# Altium PCB node24.PcbDoc (part 5 of 10)
Units mm, origin at the board's own origin, x right, y up, seen from the top; angles counter-clockwise.
Board outline 177.92 x 177.92 mm, 6 copper layers (L1 - Signal 1 (Top), L2 - Signal 2, L3 - Ground, L4 - Power, L5 - Signal 3, L6 - Signal 4 (Bot)), stack 1.511 mm thick; 721 components, 595 nets, 2782 pads, 2075 vias.
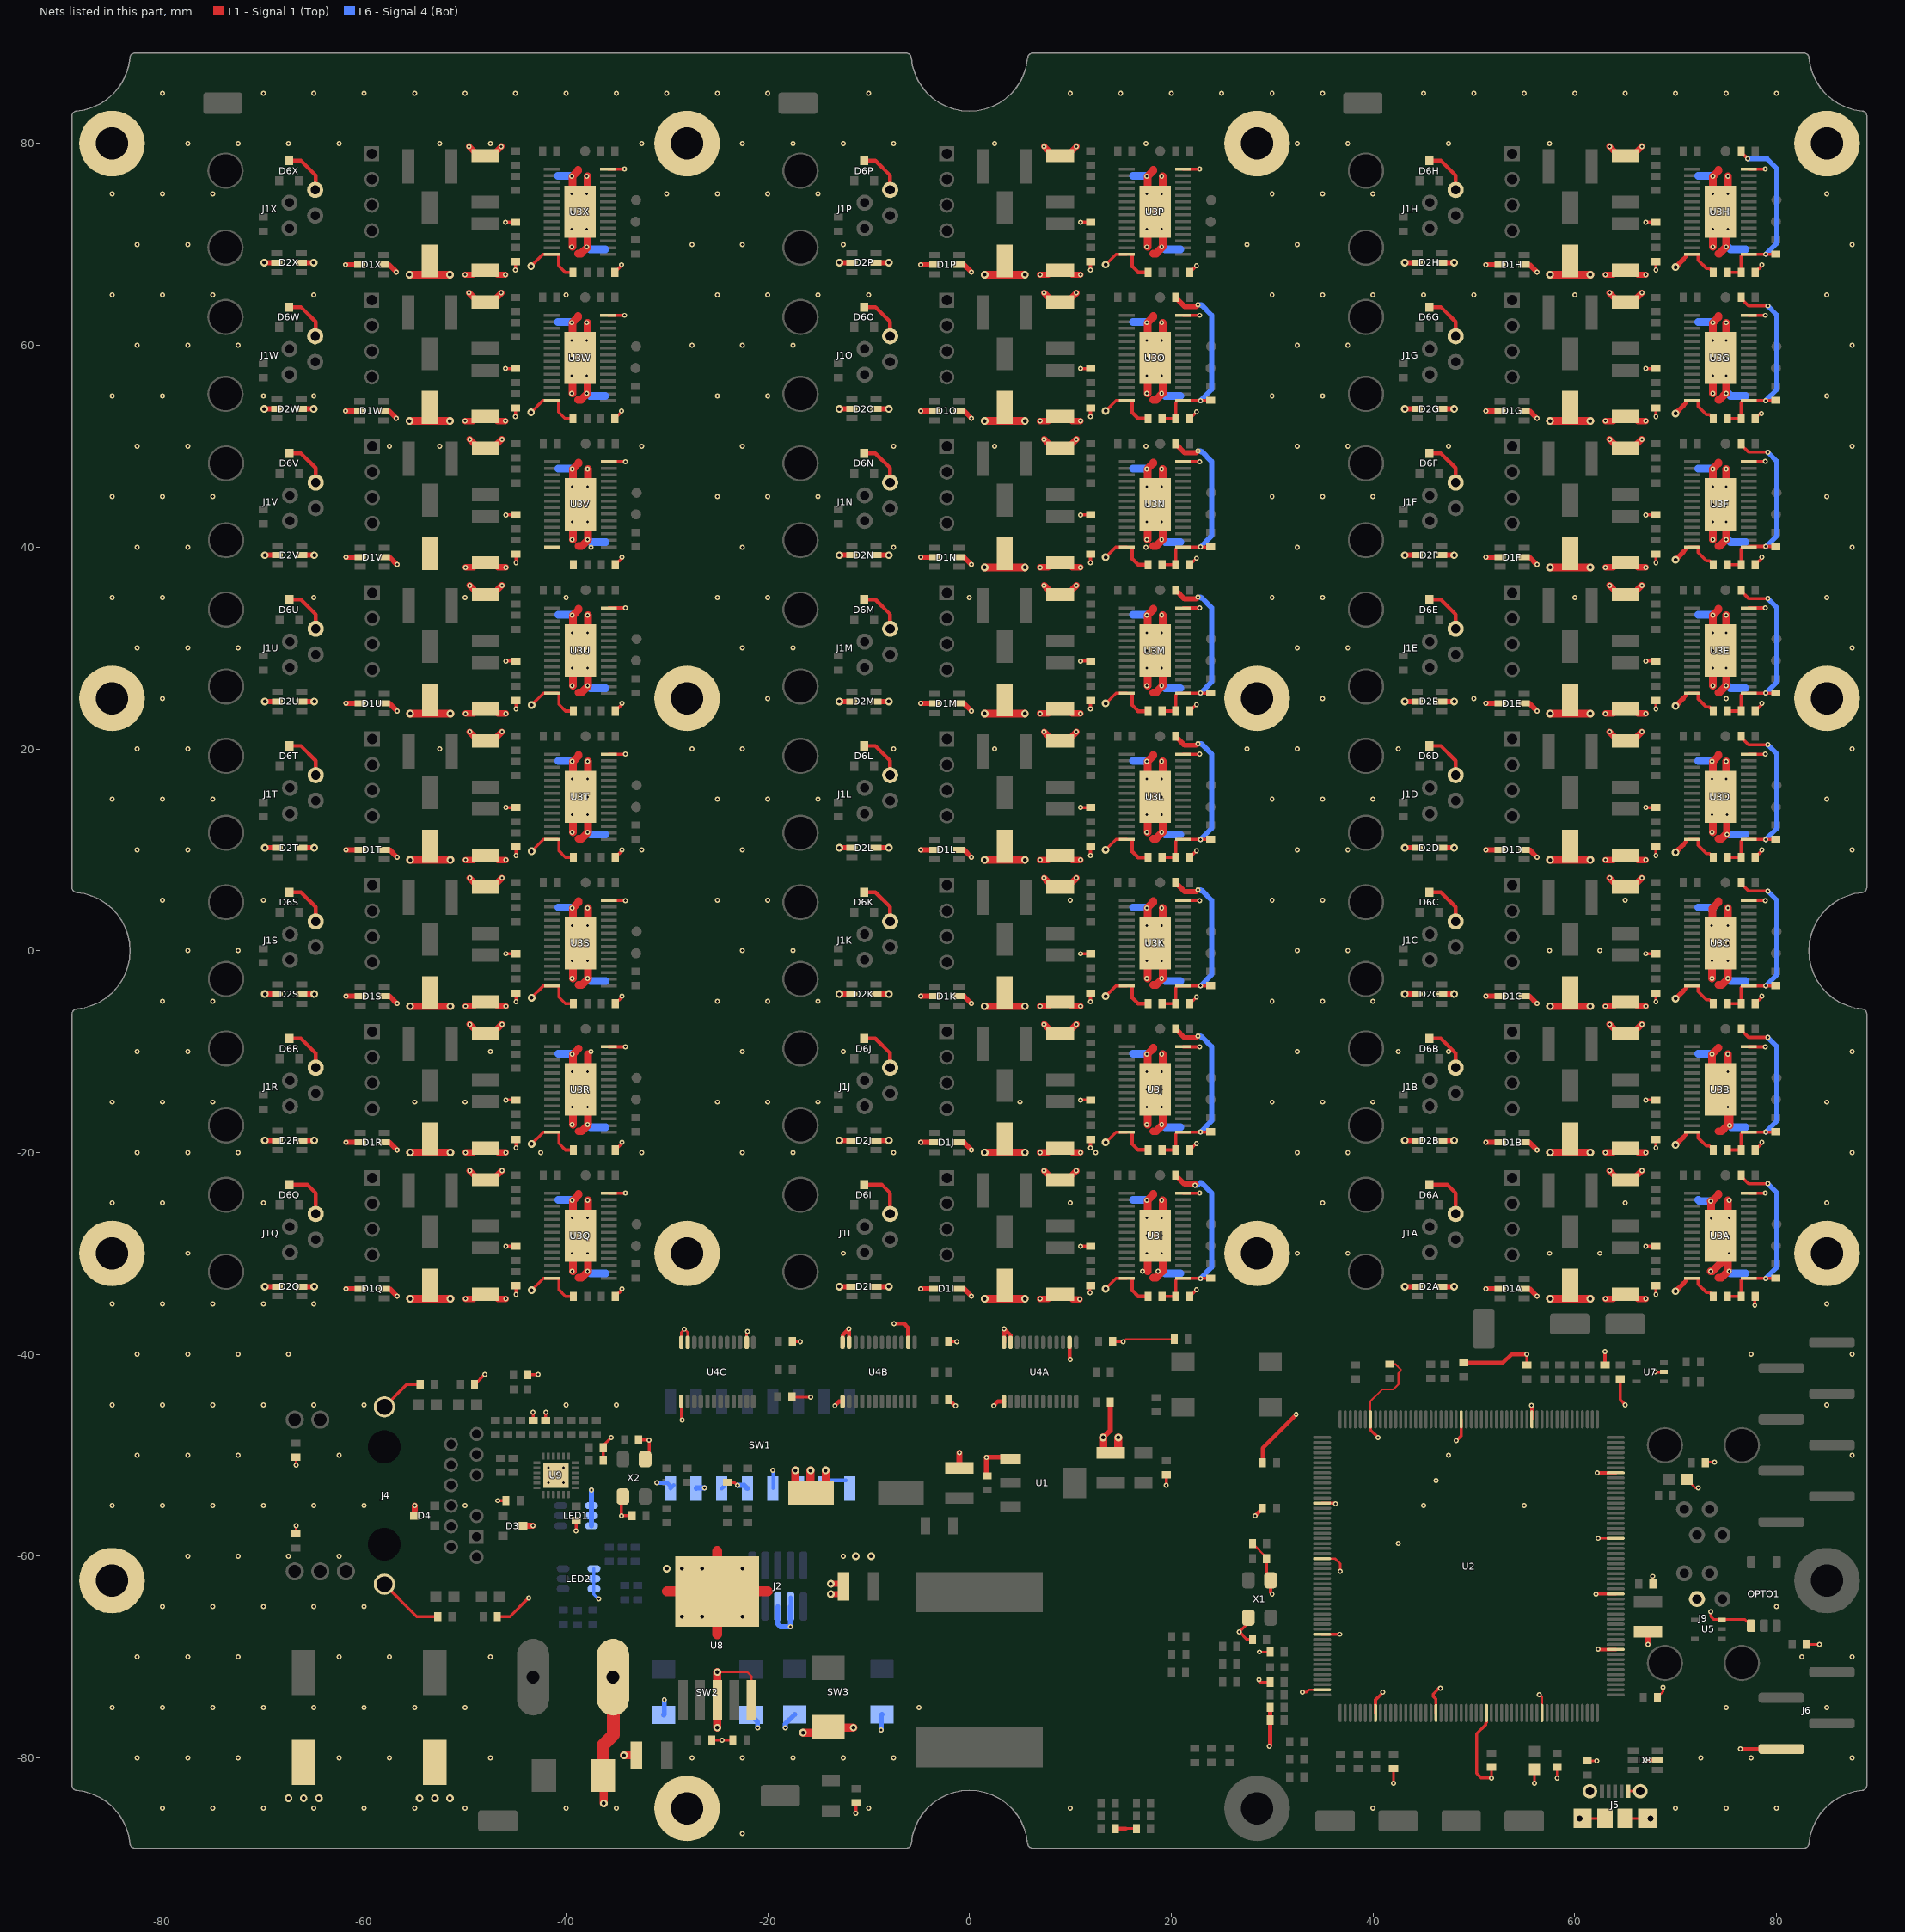
[diagram p9: the nets of this part, all layers, seen from the top]

## Via types
v1: diameter 0.508, hole 0.254, L1 - Signal 1 (Top) to L6 - Signal 4 (Bot), tented both sides, 1661 vias
v2: diameter 0.762, hole 0.381, L1 - Signal 1 (Top) to L6 - Signal 4 (Bot), 403 vias
v3: diameter 0.508, hole 0.254, L1 - Signal 1 (Top) to L6 - Signal 4 (Bot), 11 vias

## Nets (pads, with @x,y where several pads share a name; then routed paths per layer and width w, separated by ;. In a path a pad name is that pad's centre, name@x,y a point inside that pad or via, vN(x,y) a via of type N, cw(c..) or ccw(c..) an arc to the next point about the centre after c; other vN are vias at no path point) (continued)
DGND: C1.2 C2.2 C3A.2 C3B.2 C3C.2 C3D.2 C3E.2 C3F.2 C3G.2 C3H.2 C3I.2 C3J.2 C3K.2 C3L.2 C3M.2 C3N.2 C3O.2 C3P.2 C3Q.2 C3R.2 C3S.2 C3T.2 C3U.2 C3V.2 C3W.2 C3X.2 C4.2 C5.2 C6.2 C7.2 C8.2 C9A.1 C9B.1 C9C.1 C9D.1 C9E.1 C9F.1 C9G.1 C9H.1 C9I.1 C9J.1 C9K.1 C9L.1 C9M.1 C9N.1 C9O.1 C9P.1 C9Q.1 C9R.1 C9S.1 C9T.1 C9U.1 C9V.1 C9W.1 C9X.1 C12.2 C13A.2 C13B.2 C13C.2 C14A.2 C14B.2 C14C.2 C15.1 C16.2 C17.2 C18.2 C19.2 C20.2 C21.2 C22.2 C23.2 C24.2 C25.2 C26.2 C27.2 C28.2 C29.2 C30.2 C31.1 C32.2 C33.2 C34.2 C38A.1 C38B.1 C38C.1 C38D.1 C38E.1 C38F.1 C38G.1 C38H.1 C38I.1 C38J.1 C38K.1 C38L.1 C38M.1 C38N.1 C38O.1 C38P.1 C38Q.1 C38R.1 C38S.1 C38T.1 C38U.1 C38V.1 C38W.1 C38X.1 C41A.2 C41B.2 C41C.2 C41D.2 C41E.2 C41F.2 C41G.2 C41H.2 C41I.2 C41J.2 C41K.2 C41L.2 C41M.2 C41N.2 C41O.2 C41P.2 C41Q.2 C41R.2 C41S.2 C41T.2 C41U.2 C41V.2 C41W.2 C41X.2 C42A.2 C42B.2 C42C.2 C42D.2 C42E.2 C42F.2 C42G.2 C42H.2 C42I.2 C42J.2 C42K.2 C42L.2 C42M.2 C42N.2 C42O.2 C42P.2 C42Q.2 C42R.2 C42S.2 C42T.2 C42U.2 C42V.2 C42W.2 C42X.2 C47.2 C55.2 C56.2 C57.2 C59.1 C60.1 C61.2 C62.1 C63.1 C64.1 C65.1 C66.1 C67.1 C76.2 C77.2 C79.2 C80.1 C81.2 C82.2 C83.2 D1A.2 D1A.5 D1B.2 D1B.5 D1C.2 D1C.5 D1D.2 D1D.5 D1E.2 D1E.5 D1F.2 D1F.5 D1G.2 D1G.5 D1H.2 D1H.5 D1I.2 D1I.5 D1J.2 D1J.5 D1K.2 D1K.5 D1L.2 D1L.5 D1M.2 D1M.5 D1N.2 D1N.5 D1O.2 D1O.5 D1P.2 D1P.5 D1Q.2 D1Q.5 D1R.2 D1R.5 D1S.2 D1S.5 D1T.2 D1T.5 D1U.2 D1U.5 D1V.2 D1V.5 D1W.2 D1W.5 D1X.2 D1X.5 D2A.2 D2A.5 D2B.2 D2B.5 D2C.2 D2C.5 D2D.2 D2D.5 D2E.2 D2E.5 D2F.2 D2F.5 D2G.2 D2G.5 D2H.2 D2H.5 D2I.2 D2I.5 D2J.2 D2J.5 D2K.2 D2K.5 D2L.2 D2L.5 D2M.2 D2M.5 D2N.2 D2N.5 D2O.2 D2O.5 D2P.2 D2P.5 D2Q.2 D2Q.5 D2R.2 D2R.5 D2S.2 D2S.5 D2T.2 D2T.5 D2U.2 D2U.5 D2V.2 D2V.5 D2W.2 D2W.5 D2X.2 D2X.5 D3.3 D4.3 D5.1 D6A.3 D6B.3 D6C.3 D6D.3 D6E.3 D6F.3 D6G.3 D6H.3 D6I.3 D6J.3 D6K.3 D6L.3 D6M.3 D6N.3 D6O.3 D6P.3 D6Q.3 D6R.3 D6S.3 D6T.3 D6U.3 D6V.3 D6W.3 D6X.3 D8.2 D10.1 J1A.4 J1B.4 J1C.4 J1D.4 J1E.4 J1F.4 J1G.4 J1H.4 J1I.4 J1J.4 J1K.4 J1L.4 J1M.4 J1N.4 J1O.4 J1P.4 J1Q.4 J1R.4 J1S.4 J1T.4 J1U.4 J1V.4 J1W.4 J1X.4 J2.3 J2.5 J2.9 J4.S1 J4.S2 J5.5 J5.6 J5.7 J5.8 J5.9 J5.10 J5.11 J6.1 J8.2 J9.3 LED1.1 LED1.2 LED1.3 LED2.1 LED2.2 LED2.3 OPTO1.4 pad.M3_MECH@28.5,25 pad.M3_MECH@28.5,80 pad.M3_MECH@28.5,-30 pad.M3_MECH@85,25 pad.M3_MECH@85,80 pad.M3_MECH@85,-30 pad.M3_MECH@-28,25 pad.M3_MECH@-28,80 pad.M3_MECH@-28,-30 pad.M3_MECH@-28,-85 pad.M3_MECH@-85,25 pad.M3_MECH@-85,80 pad.M3_MECH@-85,-30 pad.M3_MECH@-85,-62.44 R4.1 R7.2 R8.2 R10.1 R13.2 R15.1 R23A.2 R23B.2 R23C.2 R23D.2 R23E.2 R23F.2 R23G.2 R23H.2 R23I.2 R23J.2 R23K.2 R23L.2 R23M.2 R23N.2 R23O.2 R23P.2 R23Q.2 R23R.2 R23S.2 R23T.2 R23U.2 R23V.2 R23W.2 R23X.2 R24A.2 R24B.2 R24C.2 R24D.2 R24E.2 R24F.2 R24G.2 R24H.2 R24I.2 R24J.2 R24K.2 R24L.2 R24M.2 R24N.2 R24O.2 R24P.2 R24Q.2 R24R.2 R24S.2 R24T.2 R24U.2 R24V.2 R24W.2 R24X.2 R29.1 R64.1 SW1.1 SW1.2 SW1.3 SW1.4 SW1.5 SW1.6 SW1.7 SW1.8 SW2.3 SW2.4 SW3.3 SW3.4 U1.1 U2.14 U2.25 U2.40 U2.51 U2.60 U2.72 U2.82 U2.93 U2.114 U2.125 U2.136 U2.149 U2.170 U2.184 U2.202 U3A.14 U3A.28 U3A.29 U3B.14 U3B.28 U3B.29 U3C.14 U3C.28 U3C.29 U3D.14 U3D.28 U3D.29 U3E.14 U3E.28 U3E.29 U3F.14 U3F.28 U3F.29 U3G.14 U3G.28 U3G.29 U3H.14 U3H.28 U3H.29 U3I.14 U3I.28 U3I.29 U3J.14 U3J.28 U3J.29 U3K.14 U3K.28 U3K.29 U3L.14 U3L.28 U3L.29 U3M.14 U3M.28 U3M.29 U3N.14 U3N.28 U3N.29 U3O.14 U3O.28 U3O.29 U3P.14 U3P.28 U3P.29 U3Q.14 U3Q.28 U3Q.29 U3R.14 U3R.28 U3R.29 U3S.14 U3S.28 U3S.29 U3T.14 U3T.28 U3T.29 U3U.14 U3U.28 U3U.29 U3V.14 U3V.28 U3V.29 U3W.14 U3W.28 U3W.29 U3X.14 U3X.28 U3X.29 U4A.2 U4A.11 U4A.12 U4A.13 U4B.2 U4B.11 U4B.12 U4B.13 U4C.2 U4C.11 U4C.12 U4C.13 U5.3 U7.2 U8.3 U8.5 U8.6 U9.25 X1.2 X1.4 X2.2 X2.4 | length 1542.4
  L1 - Signal 1 (Top) w0.18: v1(15.25,-38.75) 15.5,-38.5 R29.1@20.3,-38.5 ; U2.202@39.75,-46.45 39.734,-46.434 39.734,-44.666 40.9,-43.5 42,-43.5 42.529,-42.971 42.529,-41.851 42.75,-41.63 42.75,-41.5 42.225,-40.975 C23.2@41.689,-40.975
  L1 - Signal 1 (Top) w0.2: v2(-25,-71.5) -22,-71.5 -21.6,-71.9 U8.5@-21.6,-74.25 ; C26.2@28.05,-58.75 29.45,-60.15 C79.2@29.45,-60.25
  L1 - Signal 1 (Top) w0.25: U4C.13@-28.575,-44.675 -28.575,-46.425 v1(-28.5,-46.5) ; U4C.12@-28.575,-38.825 -28.575,-37.825 v1(-28.25,-37.5) -27.925,-37.825 U4C.11@-27.925,-38.825 ; U4C.2@-22.075,-38.825 -22.075,-37.825 v1(-22,-37.75) ; C13C.2@-17.6,-44.25 v1(-15.75,-44.25) ; C14C.2@-17.55,-38.75 v1(-16.75,-38.75) ; C14B.2@-2.05,-38.75 v1(-1.25,-38.75) ; C14A.2@14.2,-38.75 v1(15.25,-38.75) ; 15.5,-87 C31.1@16.55,-87 ; v1(28.702,-72.263) 28.702,-72.452 28.75,-72.5 C34.2@29.8,-72.5 ; v1(28.75,-69.5) C27.2@29.8,-69.5 ; v1(33,-73.5) 33.391,-73.5 33.641,-73.25 U2.51@34.95,-73.25 ; U2.25@34.95,-60.25 36.25,-60.25 36.75,-60.75 v1(36.75,-61.5) ; v1(42.036,-82.5) C29.2@42.036,-81.077 ; v1(51.75,-82) C30.2@51.75,-80.95 ; v1(56,-82.5) C32.2@56,-81.15 ; v1(56.5,-73.75) 56.75,-74 U2.93@56.75,-75.55 ; v1(58.25,-82) C2.2@58.25,-80.95 ; J5.7@60.5,-86 J5.8@63,-86 ; C77.2@61.25,-80.3 v1(62.2,-80.3) ; v1(62.325,-58.25) U2.136@64.05,-58.25 ; J5.9@65,-86 J5.10@67.5,-86 ; J5.5@65.3,-83.3 J5.11@66.5,-83.3 ; C16.2@67.75,-62.75 v1(67.75,-62) ; C22.2@68.2,-74 68.75,-73.45 v1(68.75,-73) ; v1(73.5,-65.5) 73.5,-66 73.8,-66.3 U5.3@74.6,-66.3 76.88,-66.3 OPTO1.4@77.48,-66.9 ; C7.2@82.95,-68.75 v1(84.25,-68.75)
  L1 - Signal 1 (Top) w0.254: R10.1@-66.75,-57.8 v1(-66.75,-57) ; v1(-66.75,-51) R4.1@-66.75,-50.2 ; C33.2@70.9,-52.5 71.2,-52.5 71.95,-53.25 v1(72.25,-53.25) ; C18.2@73.008,-50.692 v1(73.878,-50.692)
  L1 - Signal 1 (Top) w0.3: J4.S2@-58,-62.788 -54.788,-66 C62.1@-52.7,-66 ; J4.S1@-58,-45.212 -55.788,-43 C60.1@-54.45,-43 ; C67.1@-49.05,-43 v1(-48.05,-42) ; C59.1@-46.8,-66 -45.553,-66 v1(-43.688,-64.135) ; v1(-46.75,-54.5) C66.1@-45.95,-54.5 ; C61.2@-43.8,-42 v1(-42.75,-42) ; R7.2@-43.25,-46.55 v1(-43.25,-45.75) ; C65.1@-42,-46.55 v1(-42,-45.75) ; v1(-39,-57.5) R8.2@-39,-56.45 ; C63.1@-36.3,-50.5 C64.1@-36.3,-49.25 -36.3,-49.05 v1(-35.5,-48.25) ; X2.2@-34.35,-54.1 -34.5,-54.25 v1(-34.5,-56) C4.2@-33.45,-56 ; C5.2@-32.8,-48.5 v1(-31.75,-48.5) -31.75,-50 X2.4@-32.15,-50.4 ; C12.2@-25.55,-78.25 v3(-24.5,-78.25) C83.2@-23.45,-78.25 ; R64.1@-24,-52.7 -23.3,-52.7 v1(-23,-53) ; v1(-11.25,-85.5) R13.2@-11.25,-84.45 ; v1(19.5,-53) R15.1@19.5,-51.95 ; X1.4@27.65,-66.1 27.65,-66.6 v1(26.75,-67.5) 27.5,-68.25 C80.1@28.05,-68.25 ; C79.2@29.45,-60.25 29.45,-62 X1.2@29.85,-62.4 29.85,-63.6 v1(30,-63.75) ; U2.14@34.95,-54.75 36.25,-54.75 v3(36.3,-54.8) ; U2.202@39.75,-46.45 39.75,-47.5 v1(40.5,-48.25) ; U2.72@46.25,-75.55 46.25,-74.19 45.974,-73.914 45.974,-73.66 46.55,-73.084 v1(46.668,-73.084) ; U2.82@51.25,-75.55 51.25,-76.479 51.166,-76.564 51.166,-76.723 50.292,-77.597 50.292,-81.534 50.758,-82 v1(51.75,-82) ; C20.2@55.25,-41.05 v1(55.25,-40) ; C19.2@63,-41.05 v1(63,-39.75) ; C76.2@64.5,-42.45 64.5,-44.5 v1(65,-45) ; v1(67,-80.25) D8.2@68.2,-80.25 ; v1(68,-41.75) U7.2@68.85,-41.75
  L1 - Signal 1 (Top) w0.305: v1(-46,57.7) C41W.2@-45,57.7 ; v1(-46,72.2) C41X.2@-45,72.2 ; v1(-45.95,-29.3) C41Q.2@-44.95,-29.3 ; v1(-45.95,-14.8) C41R.2@-44.95,-14.8 ; v1(-45.95,-0.3) C41S.2@-44.95,-0.3 ; v1(-45.95,14.2) C41T.2@-44.95,14.2 ; v1(-45.95,28.7) C41U.2@-44.95,28.7 ; v1(-45.95,43.2) C41V.2@-44.95,43.2 ; v1(-45,52.95) C42W.2@-45,53.8 ; v1(-45,67.45) C42X.2@-45,68.3 ; v1(-44.95,-34.05) C42Q.2@-44.95,-33.2 ; v1(-44.95,-19.55) C42R.2@-44.95,-18.7 ; v1(-44.95,-5.05) C42S.2@-44.95,-4.2 ; v1(-44.95,9.45) C42T.2@-44.95,10.3 ; v1(-44.95,23.95) C42U.2@-44.95,24.8 ; v1(-44.95,38.45) C42V.2@-44.95,39.3 ; v2(-43.459,53.348) -42.282,54.525 U3W.14@-41.4,54.525 -40.851,54.525 -40.741,54.415 -40.741,53.399 -40.092,52.75 C9W.1@-39.3,52.75 ; v2(-43.459,67.848) -42.282,69.025 U3X.14@-41.4,69.025 -40.851,69.025 -40.741,68.915 -40.741,67.899 -40.092,67.25 C9X.1@-39.3,67.25 ; v2(-43.409,-33.652) -42.232,-32.475 U3Q.14@-41.35,-32.475 -40.801,-32.475 -40.691,-32.585 -40.691,-33.601 -40.042,-34.25 C9Q.1@-39.25,-34.25 ; v2(-43.409,-19.152) -42.232,-17.975 U3R.14@-41.35,-17.975 -40.801,-17.975 -40.691,-18.085 -40.691,-19.101 -40.042,-19.75 C9R.1@-39.25,-19.75 ; v2(-43.409,-4.652) -42.232,-3.475 U3S.14@-41.35,-3.475 -40.801,-3.475 -40.691,-3.585 -40.691,-4.601 -40.042,-5.25 C9S.1@-39.25,-5.25 ; v2(-43.409,9.848) -42.232,11.025 U3T.14@-41.35,11.025 -40.801,11.025 -40.691,10.915 -40.691,9.899 -40.042,9.25 C9T.1@-39.25,9.25 ; v2(-43.409,24.348) -42.232,25.525 U3U.14@-41.35,25.525 -40.801,25.525 -40.691,25.415 -40.691,24.399 -40.042,23.75 C9U.1@-39.25,23.75 ; U3W.28@-35.8,62.975 v1(-34.175,62.975) ; U3X.28@-35.8,77.475 v1(-34.175,77.475) ; U3Q.28@-35.75,-24.025 v1(-34.125,-24.025) ; U3R.28@-35.75,-9.525 v1(-34.125,-9.525) ; U3S.28@-35.75,4.975 v1(-34.125,4.975) ; U3T.28@-35.75,19.475 v1(-34.125,19.475) ; U3U.28@-35.75,33.975 v1(-34.125,33.975) ; U3V.28@-35.75,48.475 v1(-34.125,48.475) ; C38W.1@-35.15,52.75 -34.5,53.4 v1(-34.5,53.5) ; C38X.1@-35.15,67.25 -34.5,67.9 v1(-34.5,68) ; C38Q.1@-35.1,-34.25 -34.45,-33.6 v1(-34.45,-33.5) ; C38R.1@-35.1,-19.75 -34.45,-19.1 v1(-34.45,-19) ; C38S.1@-35.1,-5.25 -34.45,-4.6 v1(-34.45,-4.5) ; C38T.1@-35.1,9.25 -34.45,9.9 v1(-34.45,10) ; C38U.1@-35.1,23.75 -34.45,24.4 v1(-34.45,24.5) ; C38V.1@-35.1,38.25 -34.45,38.9 v1(-34.45,39) ; v1(11,-29.3) C41I.2@12,-29.3 ; v1(11,-14.8) C41J.2@12,-14.8 ; v1(11,-0.3) C41K.2@12,-0.3 ; v1(11,14.2) C41L.2@12,14.2 ; v1(11,28.7) C41M.2@12,28.7 ; v1(11,43.2) C41N.2@12,43.2 ; v1(11,57.7) C41O.2@12,57.7 ; v1(11,72.2) C41P.2@12,72.2 ; v1(11.938,-33.909) 11.938,-33.262 C42I.2@12,-33.2 ; v1(12,-19.55) C42J.2@12,-18.7 ; v1(12,-5.05) C42K.2@12,-4.2 ; v1(12,9.45) C42L.2@12,10.3 ; v1(12,23.95) C42M.2@12,24.8 ; v1(12,38.45) C42N.2@12,39.3 ; v1(12,52.95) C42O.2@12,53.8 ; v1(12,67.45) C42P.2@12,68.3 ; v2(13.5,-33.5) 14.525,-32.475 U3I.14@15.6,-32.475 ; v2(13.5,-19) 14.525,-17.975 U3J.14@15.6,-17.975 ; v2(13.5,-4.5) 14.525,-3.475 U3K.14@15.6,-3.475 ; v2(13.5,10) 14.525,11.025 U3L.14@15.6,11.025 ; v2(13.5,24.5) 14.525,25.525 U3M.14@15.6,25.525 ; v2(13.5,39) 14.525,40.025 U3N.14@15.6,40.025 ; v2(13.5,53.5) 14.525,54.525 U3O.14@15.6,54.525 ; v2(13.5,68) 14.525,69.025 U3P.14@15.6,69.025 ; U3I.28@21.2,-24.025 v1(22.825,-24.025) ; U3J.28@21.2,-9.525 v1(22.825,-9.525) ; U3K.28@21.2,4.975 v1(22.825,4.975) ; U3L.28@21.2,19.475 v1(22.825,19.475) ; U3M.28@21.2,33.975 v1(22.825,33.975) ; U3N.28@21.2,48.475 v1(22.825,48.475) ; U3O.28@21.2,62.975 v1(22.825,62.975) ; U3P.28@21.2,77.475 v1(22.825,77.475) ; C38I.1@21.85,-34.25 v1(22.5,-33.6) ; C38J.1@21.85,-19.75 v1(22.5,-19.1) ; C38K.1@21.85,-5.25 v1(22.5,-4.6) ; C38L.1@21.85,9.25 v1(22.5,9.9) ; C38M.1@21.85,23.75 v1(22.5,24.4) ; C38N.1@21.85,38.25 v1(22.5,38.9) ; C38O.1@21.85,52.75 v1(22.5,53.4) ; C38P.1@21.85,67.25 v1(22.5,67.9) ; v1(67.05,-29.3) C41A.2@68.05,-29.3 ; v1(67.05,-14.8) C41B.2@68.05,-14.8 ; v1(67.05,-0.3) C41C.2@68.05,-0.3 ; v1(67.05,14.2) C41D.2@68.05,14.2 ; v1(67.05,28.7) C41E.2@68.05,28.7 ; v1(67.05,43.2) C41F.2@68.05,43.2 ; v1(67.05,57.7) C41G.2@68.05,57.7 ; v1(67.05,72.2) C41H.2@68.05,72.2 ; v1(68.05,-34.05) C42A.2@68.05,-33.2 ; v1(68.05,-19.55) C42B.2@68.05,-18.7 ; v1(68.05,-5.05) C42C.2@68.05,-4.2 ; v1(68.05,9.45) C42D.2@68.05,10.3 ; v1(68.05,23.95) C42E.2@68.05,24.8 ; v1(68.05,38.45) C42F.2@68.05,39.3 ; v1(68.05,52.95) C42G.2@68.05,53.8 ; v1(68.05,67.45) C42H.2@68.05,68.3 ; 70.975,-32.75 U3A.14@71.25,-32.475 ; 70.975,-18.25 U3B.14@71.25,-17.975 ; 70.975,-3.75 U3C.14@71.25,-3.475 ; 70.975,10.75 U3D.14@71.25,11.025 ; 70.975,25.25 U3E.14@71.25,25.525 ; 70.975,39.75 U3F.14@71.25,40.025 ; 70.975,54.25 U3G.14@71.25,54.525 ; 70.975,68.75 U3H.14@71.25,69.025 ; U3A.14@71.275,-32.475 U3A.14@71.65,-32.475 72.225,-32.475 72.25,-32.5 72.25,-33.059 73.05,-33.86 73.36,-33.86 C9A.1@73.75,-34.25 ; U3B.14@71.275,-17.975 U3B.14@71.65,-17.975 72.225,-17.975 72.25,-18 72.25,-18.559 73.05,-19.36 73.36,-19.36 C9B.1@73.75,-19.75 ; U3C.14@71.275,-3.475 U3C.14@71.65,-3.475 72.225,-3.475 72.25,-3.5 72.25,-4.059 73.05,-4.86 73.36,-4.86 C9C.1@73.75,-5.25 ; U3D.14@71.275,11.025 U3D.14@71.65,11.025 72.225,11.025 72.25,11 72.25,10.441 73.05,9.64 73.36,9.64 C9D.1@73.75,9.25 ; U3E.14@71.275,25.525 U3E.14@71.65,25.525 72.225,25.525 72.25,25.5 72.25,24.941 73.05,24.14 73.36,24.14 C9E.1@73.75,23.75 ; U3F.14@71.275,40.025 U3F.14@71.65,40.025 72.225,40.025 72.25,40 72.25,39.441 73.05,38.64 73.36,38.64 C9F.1@73.75,38.25 ; U3G.14@71.275,54.525 U3G.14@71.65,54.525 72.225,54.525 72.25,54.5 72.25,53.941 73.05,53.14 73.36,53.14 C9G.1@73.75,52.75 ; U3H.14@71.275,69.025 U3H.14@71.65,69.025 72.225,69.025 72.25,69 72.25,68.441 73.05,67.64 73.36,67.64 C9H.1@73.75,67.25 ; U3A.28@77.25,-24.025 v1(78.875,-24.025) ; U3B.28@77.25,-9.525 v1(78.875,-9.525) ; U3C.28@77.25,4.975 v1(78.875,4.975) ; U3D.28@77.25,19.475 v1(78.875,19.475) ; U3E.28@77.25,33.975 v1(78.875,33.975) ; U3F.28@77.25,48.475 77.275,48.5 v1(78.9,48.5) ; U3G.28@77.25,62.975 v1(78.875,62.975) ; U3H.28@77.25,77.475 v1(78.875,77.475) ; v1(77.851,-35.128) 77.851,-34.299 C38A.1@77.9,-34.25 ; C38B.1@77.9,-19.75 78.55,-19.1 v1(78.55,-19) ; C38C.1@77.9,-5.25 78.55,-4.6 v1(78.55,-4.5) ; C38D.1@77.9,9.25 78.55,9.9 v1(78.55,10) ; C38E.1@77.9,23.75 78.55,24.4 v1(78.55,24.5) ; C38F.1@77.9,38.25 78.55,38.9 v1(78.55,39) ; C38G.1@77.9,52.75 78.5,53.35 v1(78.5,53.25) ; C38H.1@77.9,67.25 78.55,67.9 v1(78.55,68)
  L1 - Signal 1 (Top) w0.33: U2.40@34.95,-67.75 v1(36.725,-67.75) ; U2.60@40.25,-75.55 40.25,-74.25 40.952,-73.548 v1(40.952,-73.479) ; v1(48.275,-48.575) 48.75,-48.1 U2.184@48.75,-46.45 ; v1(55.725,-45.05) 55.75,-45.075 U2.170@55.75,-46.45 ; v1(62.125,-63.75) U2.125@64.05,-63.75 ; v1(62.225,-51.75) U2.149@64.05,-51.75 ; v1(62.3,-69.225) 62.325,-69.25 U2.114@64.05,-69.25 ; v1(76.42,-79.12) J6.1@80.48,-79.12
  L1 - Signal 1 (Top) w0.381: D6Q.3@-67.4,-23.2 -65.625,-23.2 -64.81,-24.015 J1Q.4@-64.81,-26.095 ; D6R.3@-67.4,-8.7 -66.275,-8.7 -64.81,-10.165 J1R.4@-64.81,-11.595 ; D6S.3@-67.4,5.8 -66.275,5.8 -64.81,4.335 J1S.4@-64.81,2.905 ; D6T.3@-67.4,20.3 -66.275,20.3 -64.81,18.835 J1T.4@-64.81,17.405 ; D6U.3@-67.4,34.8 -66.275,34.8 -64.81,33.335 J1U.4@-64.81,31.905 ; D6V.3@-67.4,49.3 -66.275,49.3 -64.81,47.835 J1V.4@-64.81,46.405 ; D6W.3@-67.4,63.8 -66.275,63.8 -64.81,62.335 J1W.4@-64.81,60.905 ; D6X.3@-67.4,78.3 -66.275,78.3 -64.81,76.835 J1X.4@-64.81,75.405 ; D6I.3@-10.45,-23.2 -8.675,-23.2 -7.86,-24.015 J1I.4@-7.86,-26.095 ; D6J.3@-10.45,-8.7 -9.325,-8.7 -7.86,-10.165 J1J.4@-7.86,-11.595 ; D6K.3@-10.45,5.8 -9.325,5.8 -7.86,4.335 J1K.4@-7.86,2.905 ; D6L.3@-10.45,20.3 -9.325,20.3 -7.86,18.835 J1L.4@-7.86,17.405 ; D6M.3@-10.45,34.8 -9.325,34.8 -7.86,33.335 J1M.4@-7.86,31.905 ; D6N.3@-10.45,49.3 -9.325,49.3 -7.86,47.835 J1N.4@-7.86,46.405 ; D6O.3@-10.45,63.8 -9.325,63.8 -7.86,62.335 J1O.4@-7.86,60.905 ; D6P.3@-10.45,78.3 -9.325,78.3 -7.86,76.835 J1P.4@-7.86,75.405 ; U3I.14@16.125,-32.575 16.125,-33.65 16.725,-34.25 C9I.1@17.7,-34.25 ; U3J.14@16.125,-18.075 16.125,-19.15 16.725,-19.75 C9J.1@17.7,-19.75 ; U3K.14@16.125,-3.575 16.125,-4.65 16.725,-5.25 C9K.1@17.7,-5.25 ; U3L.14@16.125,10.925 16.125,9.85 16.725,9.25 C9L.1@17.7,9.25 ; U3M.14@16.125,25.425 16.125,24.35 16.725,23.75 C9M.1@17.7,23.75 ; U3N.14@16.125,39.925 16.125,38.85 16.725,38.25 C9N.1@17.7,38.25 ; U3O.14@16.125,54.425 16.125,53.35 16.725,52.75 C9O.1@17.7,52.75 ; U3P.14@16.125,68.925 16.125,67.85 16.725,67.25 C9P.1@17.7,67.25 ; D6A.3@45.6,-23.2 47.375,-23.2 48.19,-24.015 J1A.4@48.19,-26.095 ; D6B.3@45.6,-8.7 46.725,-8.7 48.19,-10.165 J1B.4@48.19,-11.595 ; D6C.3@45.6,5.8 46.725,5.8 48.19,4.335 J1C.4@48.19,2.905 ; D6D.3@45.6,20.3 46.725,20.3 48.19,18.835 J1D.4@48.19,17.405 ; D6E.3@45.6,34.8 46.725,34.8 48.19,33.335 J1E.4@48.19,31.905 ; D6F.3@45.6,49.3 46.725,49.3 48.19,47.835 J1F.4@48.19,46.405 ; D6G.3@45.6,63.8 46.725,63.8 48.19,62.335 J1G.4@48.19,60.905 ; D6H.3@45.6,78.3 46.725,78.3 48.19,76.835 J1H.4@48.19,75.405
  L1 - Signal 1 (Top) w0.4: v2@-17.345,-51.5 v2(-17.25,-51.5) ; v1(-13.335,-45.085) -12.925,-44.675 U4B.13@-12.575,-44.675 ; U4B.12@-12.575,-38.825 -12.575,-38.102 v1(-11.938,-37.465) -11.925,-37.478 U4B.11@-11.925,-38.825 ; v1(-7.493,-36.957) -6.477,-36.957 -6.075,-37.359 U4B.2@-6.075,-38.825 ; C13B.2@-2.05,-44.5 -1.465,-45.085 v1(-1.397,-45.085) ; v1(2.413,-45.085) 2.823,-44.675 U4A.13@3.425,-44.675 ; U4A.12@3.425,-38.825 3.425,-37.469 4.075,-38.119 U4A.11@4.075,-38.825 ; U4A.2@9.925,-38.825 9.925,-40.425 v1(10,-40.5) ; C15.1@14.45,-87 15.5,-87 ; v1(28.321,-56.007) 29.05,-55.278 C25.2@29.05,-55.25 ; C24.2@29.05,-50.75 29.05,-49.309 v1(32.385,-45.974) ; v1(29.718,-78.867) 29.8,-78.785 C17.2@29.8,-76.25 C28.2@29.8,-75 ; C21.2@49.022,-40.829 52.897,-40.829 53.726,-40 v1(55.25,-40)
  L1 - Signal 1 (Top) w0.406: 70.725,-33 70.975,-32.75 ; 70.725,-18.5 70.975,-18.25 ; 70.725,-4 70.975,-3.75 ; 70.725,10.5 70.975,10.75 ; 70.725,25 70.975,25.25 ; 70.725,39.5 70.975,39.75 ; 70.725,54 70.975,54.25 ; 70.725,68.5 70.975,68.75
  L1 - Signal 1 (Top) w0.5: C57.2@1.75,-52.05 1.7,-52 v1(1.7,-50.2) 3.663,-50.2 U1.1@3.963,-50.5 ; v2(13.25,-48.25) 13.95,-47.55 C13A.2@13.95,-44.75 ; v1(67.25,-68.75) C55.2@67.25,-67.5
  L1 - Signal 1 (Top) w0.508: v2(-69.85,-33.3) D2Q.5@-68.6,-33.3 ; v2(-69.85,-18.8) D2R.5@-68.6,-18.8 ; v2(-69.85,-4.3) D2S.5@-68.6,-4.3 ; v2(-69.85,10.2) D2T.5@-68.6,10.2 ; v2(-69.85,24.7) D2U.5@-68.6,24.7 ; v2(-69.85,39.2) D2V.5@-68.6,39.2 ; v2@-69.85,53.7 D2W.5@-68.6,53.7 ; v2@-69.85,68.2 D2X.5@-68.6,68.2 ; D2Q.2@-66.2,-33.3 v2(-64.95,-33.3) ; D2R.2@-66.2,-18.8 v2(-64.95,-18.8) ; D2S.2@-66.2,-4.3 v2(-64.95,-4.3) ; D2T.2@-66.2,10.2 v2(-64.95,10.2) ; D2U.2@-66.2,24.7 v2(-64.95,24.7) ; D2V.2@-66.2,39.2 v2(-64.95,39.2) ; D2W.2@-66.2,53.7 v2@-64.95,53.7 ; D2X.2@-66.2,68.2 v2@-64.95,68.2 ; v1(-61.848,53.5) D1W.2@-60.45,53.5 ; v1(-61.848,68) D1X.2@-60.45,68 ; v1(-61.798,-33.5) D1Q.2@-60.4,-33.5 ; v1(-61.798,-19) D1R.2@-60.4,-19 ; v1(-61.798,-4.5) D1S.2@-60.4,-4.5 ; v1(-61.798,10) D1T.2@-60.4,10 ; v1(-61.798,24.5) D1U.2@-60.4,24.5 ; v1(-61.798,39) D1V.2@-60.4,39 ; D1W.5@-58.05,53.5 -57.536,53.5 v1(-56.8,52.764) ; D1X.5@-58.05,68 -57.536,68 v1(-56.8,67.264) ; D1Q.5@-58,-33.5 -57.486,-33.5 v1(-56.75,-34.236) ; D1R.5@-58,-19 -57.486,-19 v1(-56.75,-19.736) ; D1S.5@-58,-4.5 -57.486,-4.5 v1(-56.75,-5.236) ; D1T.5@-58,10 -57.486,10 v1(-56.75,9.264) ; D1U.5@-58,24.5 -57.486,24.5 v1(-56.75,23.764) ; D1V.5@-58,39 -57.486,39 v1(-56.75,38.264) ; v2(-12.9,-33.3) D2I.5@-11.65,-33.3 ; v2(-12.9,-18.8) D2J.5@-11.65,-18.8 ; v2(-12.9,-4.3) D2K.5@-11.65,-4.3 ; v2(-12.9,10.2) D2L.5@-11.65,10.2 ; v2(-12.9,24.7) D2M.5@-11.65,24.7 ; v2(-12.9,39.2) D2N.5@-11.65,39.2 ; v2(-12.9,53.7) D2O.5@-11.65,53.7 ; v2(-12.9,68.2) D2P.5@-11.65,68.2 ; D2I.2@-9.25,-33.3 v2(-8,-33.3) ; D2J.2@-9.25,-18.8 v2(-8,-18.8) ; D2K.2@-9.25,-4.3 v2(-8,-4.3) ; D2L.2@-9.25,10.2 v2(-8,10.2) ; D2M.2@-9.25,24.7 v2(-8,24.7) ; D2N.2@-9.25,39.2 v2(-8,39.2) ; D2O.2@-9.25,53.7 v2(-8,53.7) ; D2P.2@-9.25,68.2 v2(-8,68.2) ; v1(-4.848,-33.5) D1I.2@-3.45,-33.5 ; v1(-4.848,-19) D1J.2@-3.45,-19 ; v1(-4.848,-4.5) D1K.2@-3.45,-4.5 ; v1(-4.848,10) D1L.2@-3.45,10 ; v1(-4.848,24.5) D1M.2@-3.45,24.5 ; v1(-4.848,39) D1N.2@-3.45,39 ; v1(-4.848,53.5) D1O.2@-3.45,53.5 ; v1(-4.848,68) D1P.2@-3.45,68 ; D1I.5@-1.05,-33.5 -0.536,-33.5 v1(0.2,-34.236) ; D1J.5@-1.05,-19 -0.536,-19 v1(0.2,-19.736) ; D1K.5@-1.05,-4.5 -0.536,-4.5 v1(0.2,-5.236) ; D1L.5@-1.05,10 -0.536,10 v1(0.2,9.264) ; D1M.5@-1.05,24.5 -0.536,24.5 v1(0.2,23.764) ; D1N.5@-1.05,39 -0.536,39 v1(0.2,38.264) ; D1O.5@-1.05,53.5 -0.536,53.5 v1(0.2,52.764) ; D1P.5@-1.05,68 -0.536,68 v1(0.2,67.264) ; v2(43.15,-33.3) D2A.5@44.4,-33.3 ; v2(43.15,-18.8) D2B.5@44.4,-18.8 ; v2(43.15,-4.3) D2C.5@44.4,-4.3 ; v2(43.15,10.2) D2D.5@44.4,10.2 ; v2(43.15,24.7) D2E.5@44.4,24.7 ; v2(43.15,39.2) D2F.5@44.4,39.2 ; v2(43.15,53.7) D2G.5@44.4,53.7 ; v2(43.15,68.2) D2H.5@44.4,68.2 ; D2A.2@46.8,-33.3 v2(48.05,-33.3) ; D2B.2@46.8,-18.8 v2(48.05,-18.8) ; D2C.2@46.8,-4.3 v2(48.05,-4.3) ; D2D.2@46.8,10.2 v2(48.05,10.2) ; D2E.2@46.8,24.7 v2(48.05,24.7) ; D2F.2@46.8,39.2 v2(48.05,39.2) ; D2G.2@46.8,53.7 v2(48.05,53.7) ; D2H.2@46.8,68.2 v2(48.05,68.2) ; v1(51.202,-33.5) D1A.2@52.6,-33.5 ; v1(51.202,-19) D1B.2@52.6,-19 ; v1(51.202,-4.5) D1C.2@52.6,-4.5 ; v1(51.202,10) D1D.2@52.6,10 ; v1(51.202,24.5) D1E.2@52.6,24.5 ; v1(51.202,39) D1F.2@52.6,39 ; v1(51.202,53.5) D1G.2@52.6,53.5 ; v1(51.202,68) D1H.2@52.6,68 ; D1A.5@55,-33.5 55.514,-33.5 v1(56.25,-34.236) ; D1B.5@55,-19 55.514,-19 v1(56.25,-19.736) ; D1C.5@55,-4.5 55.514,-4.5 v1(56.25,-5.236) ; D1D.5@55,10 55.514,10 v1(56.25,9.264) ; D1E.5@55,24.5 55.514,24.5 v1(56.25,23.764) ; D1F.5@55,39 55.514,39 v1(56.25,38.264) ; D1G.5@55,53.5 55.514,53.5 v1(56.25,52.764) ; D1H.5@55,68 55.514,68 v1(56.25,67.264) ; v2(70,-33.75) 70.75,-33 ; v2(70,-19.25) 70.75,-18.5 ; v2(70,-4.75) 70.75,-4 ; v2(70,9.75) 70.75,10.5 ; v2(70,24.25) 70.75,25 ; v2(70,38.75) 70.75,39.5 ; v2(70,53.25) 70.75,54 ; v2(70,67.75) 70.75,68.5